# Altium PCB InsaneKeyboard.PcbDoc (part 1 of 4) (continued)
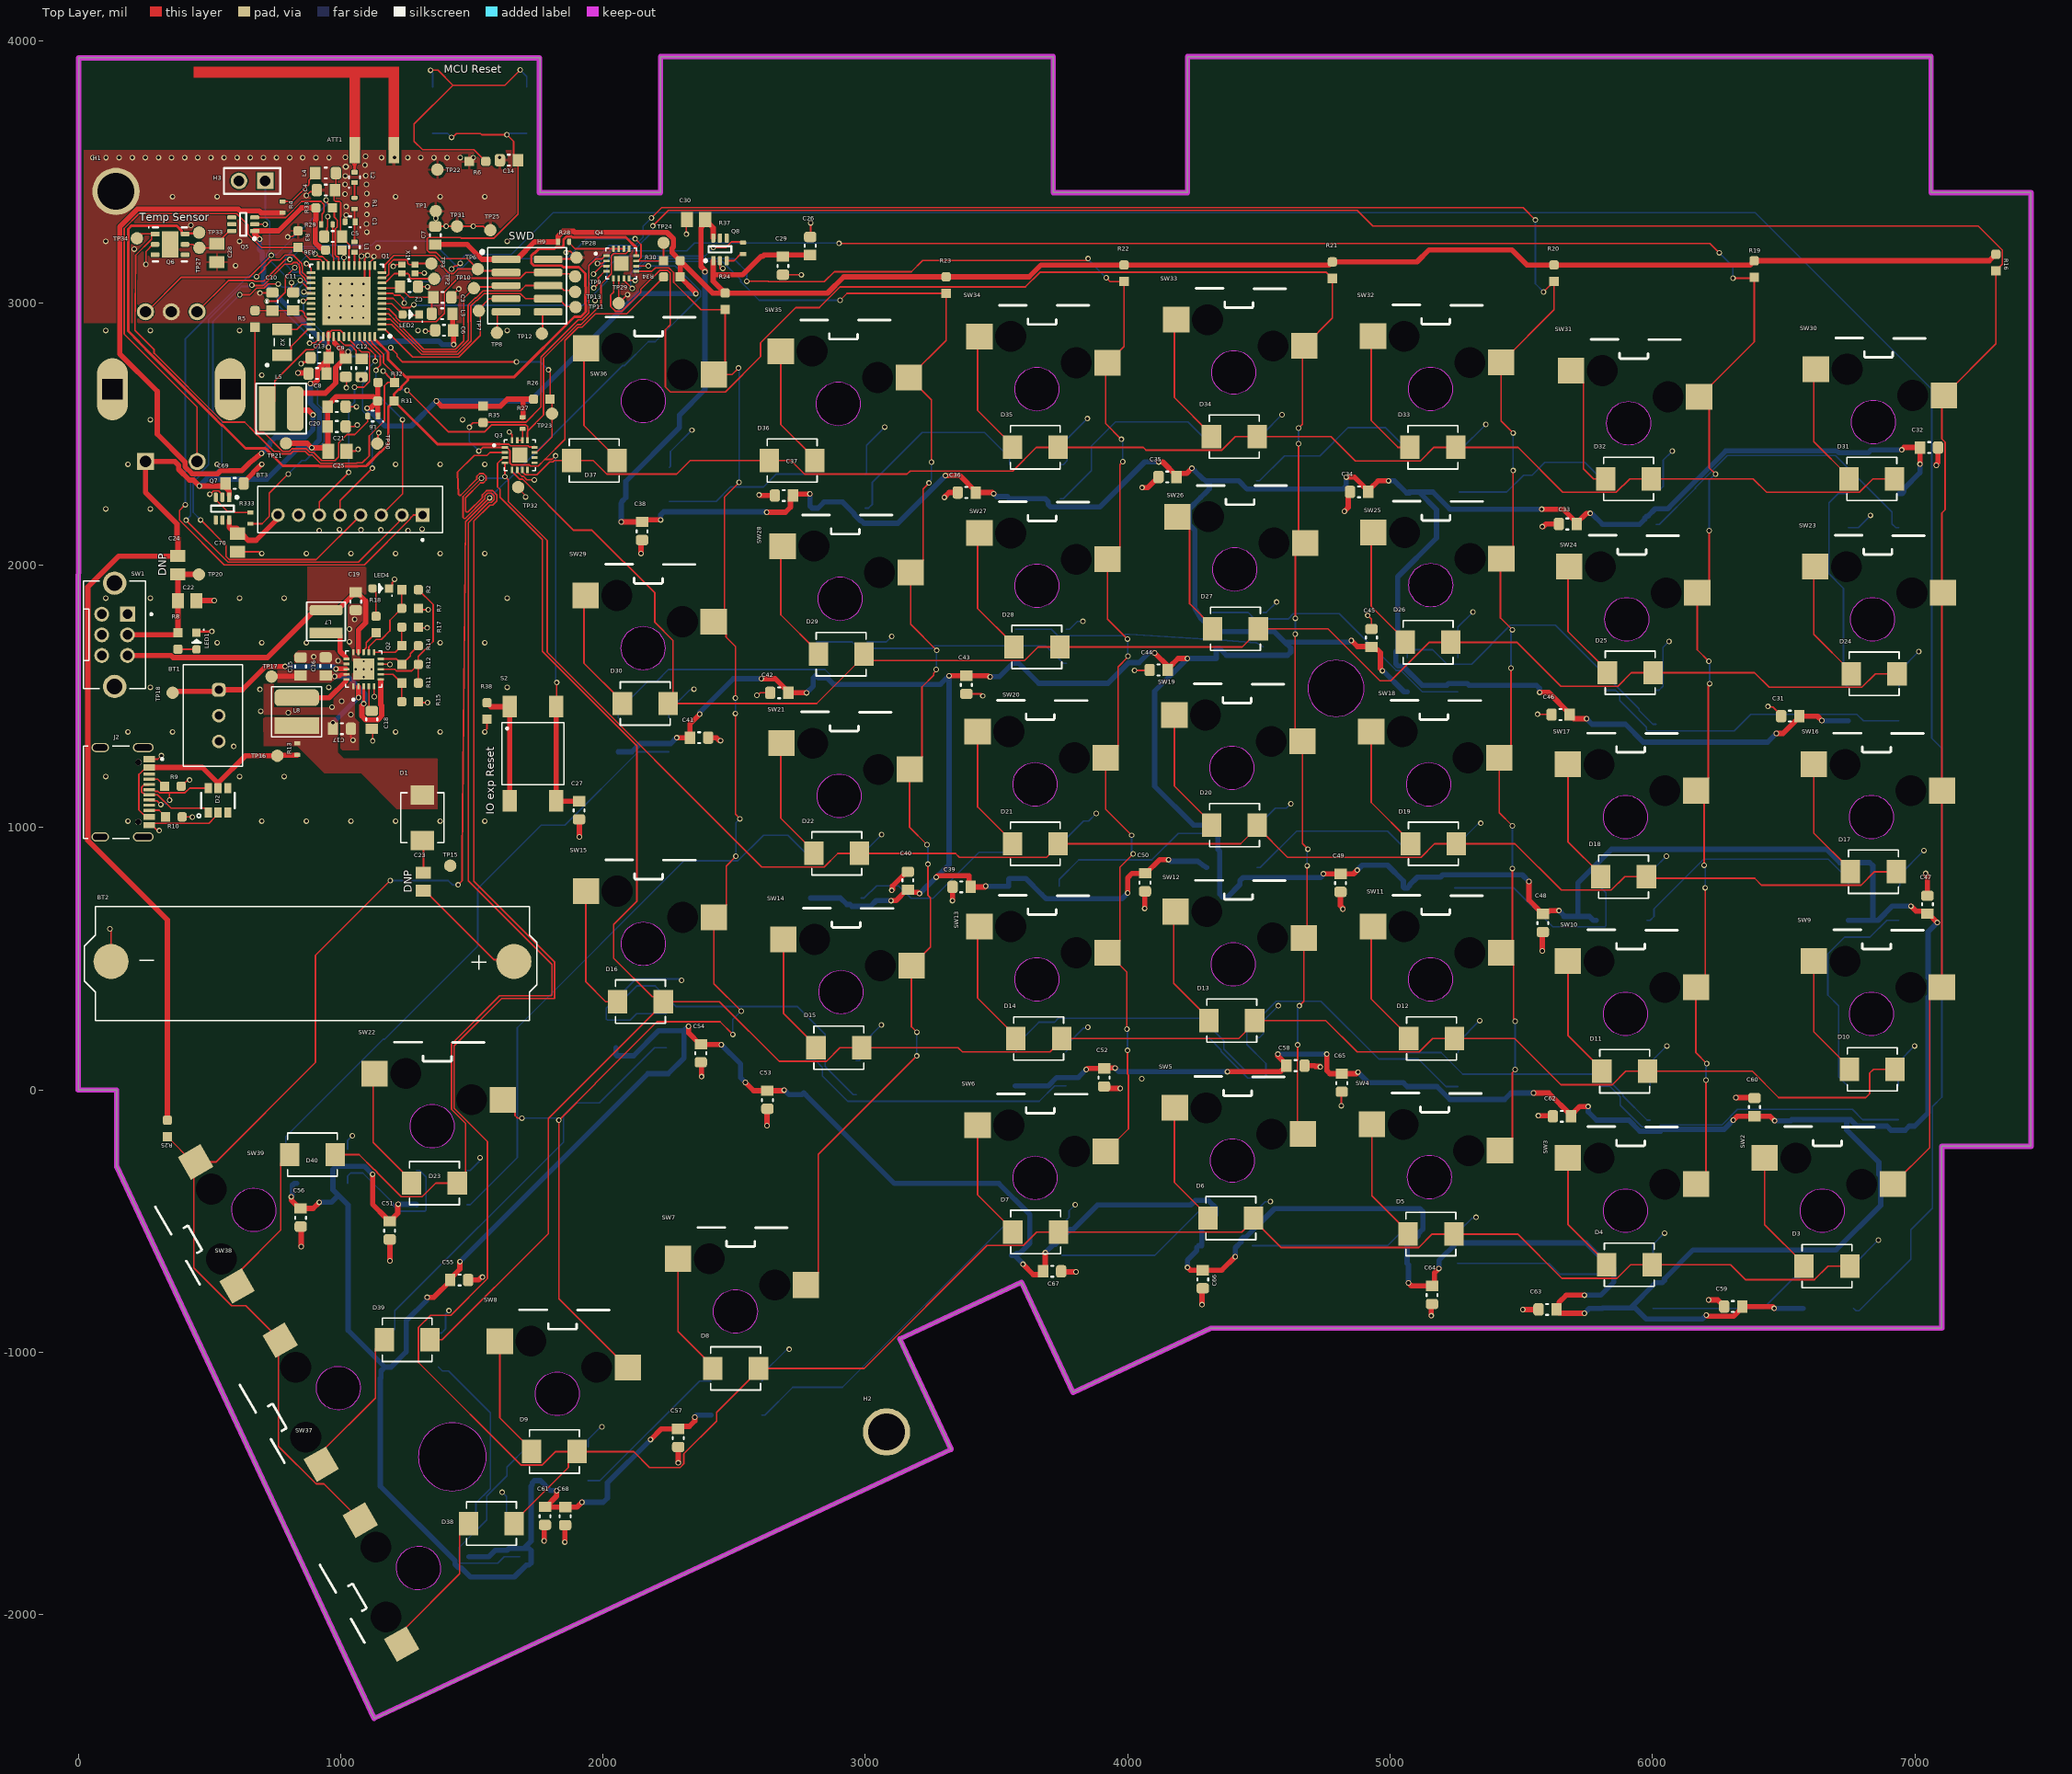
[diagram p0: Top Layer view]
## Design rules (kind name [scope] priority, off if disabled: settings)
BoardOutlineClearance [All] p1: gap=9 ignorepadtopadclearanceinfootprint=FALSE
Clearance [All] p1: gap=4 ignorepadtopadclearanceinfootprint=FALSE
HoleSize [All] p1: absolutevalues=TRUE maxlimit=248 minlimit=1 maxpercent=80.000 minpercent=20.000
HoleToHoleClearance [All] p1: gap=7.87 allowstackedmicrovias=TRUE
MinimumSolderMaskSliver [All] p1: minsoldermaskwidth=1
PlaneClearance [All] p1: clearance=20
PlaneConnect [All] p1: planeconnectstyle=Direct reliefexpansion=20 reliefentries=4 reliefconductorwidth=10 reliefairgap=10
PolygonConnect Coplaner [IsNamedPolygon('GND_L01_P006')] p1: thpad.connectstyle=Direct thpad.reliefconductorwidth=10 thpad.reliefentries=4 thpad.polygonreliefangle="90 Angle" thpad.airgapwidth=10 smdpad.connectstyle=Relief smdpad.reliefconductorwidth=10 smdpad.reliefentries=4 smdpad.polygonreliefangle="90 Angle" smdpad.airgapwidth=10 via.connectstyle=Direct via.reliefconductorwidth=10 via.reliefentries=4 via.polygonreliefangle="90 Angle" via.airgapwidth=10
PolygonConnect vout [InNet('+3.3V') or InNet('VAEM')] p2: connectstyle=Direct reliefconductorwidth=10 reliefentries=4 polygonreliefangle="90 Angle" airgapwidth=10
PolygonConnect [All] p3: thpad.connectstyle=Relief thpad.reliefconductorwidth=10 thpad.reliefentries=4 thpad.polygonreliefangle="90 Angle" thpad.airgapwidth=10 smdpad.connectstyle=Direct smdpad.reliefconductorwidth=10 smdpad.reliefentries=4 smdpad.polygonreliefangle="90 Angle" smdpad.airgapwidth=10 via.connectstyle=Direct via.reliefconductorwidth=10 via.reliefentries=4 via.polygonreliefangle="90 Angle" via.airgapwidth=10
RoutingVias [All] p1: holewidth=13 width=21 viastyle="Through Hole" minholewidth=6 minwidth=10 maxholewidth=13 maxwidth=25
SilkToSilkClearance [All] p1: silktosilkclearance=4
SilkToSolderMaskClearance [IsPad] p1: minsilkscreentomaskgap=4 clearancetoexposedcopper=TRUE
SolderMaskExpansion [All] p1: expansion=4 istentingtop=FALSE
SupplyNets "Schematic Supply Nets_5" [InNet('VMCU')] p1: voltage=0.000
SupplyNets "Schematic Supply Nets_4" [InNet('VDCDC')] p2: voltage=0.000
SupplyNets "Schematic Supply Nets_3" [InNet('GND')] p3: voltage=0.000
SupplyNets "Schematic Supply Nets_2" [InNet('PAVDD')] p4: voltage=0.000
SupplyNets "Schematic Supply Nets_1" [InNet('+3.3V')] p5: voltage=0.000
SupplyNets "Schematic Supply Nets" [InNet('USB_VCC')] p6: voltage=0.000
UnRoutedNet [All] p1: checkbadconnections=TRUE
Width "Schematic Width Constraint_10" [InNet('DISPLAY_LOAD_SW')] p1: maxlimit=20 minlimit=6 preferedwidth=20
Width "Schematic Width Constraint_9" [InNet('LED_PWR')] p2: maxlimit=20 minlimit=6 preferedwidth=20
Width "Schematic Width Constraint_8" [InNet('VBAT')] p3: maxlimit=20 minlimit=6 preferedwidth=20
Width "Schematic Width Constraint_7" [InNet('VDCDC')] p4: maxlimit=20 minlimit=6 preferedwidth=20
Width "Schematic Width Constraint_6" [InNet('NetC17_1')] p5: maxlimit=20 minlimit=6 preferedwidth=20
Width "Schematic Width Constraint_3" [InNet('VSTOR')] p6: maxlimit=20 minlimit=6 preferedwidth=20
Width "Schematic Width Constraint_2" [InNet('NetL8_2')] p7: maxlimit=20 minlimit=6 preferedwidth=20
Width "Schematic Width Constraint" [InNet('+3.3V')] p8: maxlimit=20 minlimit=6 preferedwidth=20
Width "Schematic Width Constraint_5" [InNet('USB_VCC')] p9: maxlimit=20 minlimit=6 preferedwidth=20
Width "Schematic Width Constraint_4" [InNet('VMCU')] p10: maxlimit=20 minlimit=6 preferedwidth=20
Width "Schematic Width Constraint_1" [InNet('VOUT')] p11: maxlimit=20 minlimit=6 preferedwidth=20
Width [All] p12: maxlimit=20 minlimit=6 preferedwidth=6
22 further rules are at their usual default settings.

## Classes and differential pairs
component class LIGHTS: C29 C30 C31 C32 C33 C34 C35 C36 C37 C38 C39 C40 C41 C42 C43 C44 C45 C46 C47 C48 C49 C50 C51 C52 C53 C54 C55 C56 C57 C58 C59 C60 C61 C62 C63 C64 C65 C66 C67 C68 LED LED5 LED6 LED7 LED8 LED9 LED10 LED11 LED12 LED13 LED14 LED15 LED16 LED17 LED18 LED19 LED20 LED21 LED22 LED23 LED24 LED25 LED26 LED27 LED28 LED29 LED30 LED31 LED32 LED33 LED34 LED35 LED36 LED37 LED38 LED39 LED40 LED41 Q8 R37
component class DISPLAY: BT3 C69 C70 Q7 R333
net class RADIO_PF[7..0]: RADIO_PF0 RADIO_PF1 RADIO_PF2 RADIO_PF3 RADIO_PF4 RADIO_PF5 RADIO_PF6 RADIO_PF7
net class RADIO_PB[15..11]: RADIO_PB11 RADIO_PB12 RADIO_PB13 RADIO_PB14 RADIO_PB15
net class IO_ROW_P[7..0]: IO_ROW_P0 IO_ROW_P1 IO_ROW_P2 IO_ROW_P3 IO_ROW_P4 IO_ROW_P5 IO_ROW_P6 IO_ROW_P7
net class IO_COL_P[7..0]: IO_COL_P0 IO_COL_P1 IO_COL_P2 IO_COL_P3 IO_COL_P4 IO_COL_P5 IO_COL_P6 IO_COL_P7
component class SWITCHES: D3 D4 D5 D6 D7 D8 D9 D10 D11 D12 D13 D14 D15 D16 D17 D18 D19 D20 D21 D22 D23 D24 D25 D26 D27 D28 D29 D30 D31 D32 D33 D34 D35 D36 D37 D38 D39 D40 H1 H2 R16 R19 R20 R21 R22 R23 R24 R25 SW2 SW3 SW4 SW5 SW6 SW7 SW8 SW9 SW10 SW11 SW12 SW13 SW14 SW15 SW16 SW17 SW18 SW19 SW20 SW21 SW22 SW23 SW24 SW25 SW26 SW27 SW28 SW29 SW30 SW31 SW32 SW33 SW34 SW35 SW36 SW37 SW38 SW39
component class RF_ANTENNA_POWER: ATT1 C1 C2 C3 C4 C5 C6 C7 C8 C9 C10 C11 C12 C13 L1 L2 L3 L4 L5 L6 Q1 R1 R4 R5 TP1 TP2 TP3 X1 X2
component class POWER: BT1 BT2 C15 C16 C17 C18 C19 C20 C21 C22 C23 C24 C25 D1 D2 J2 L7 L8 LED1 LED4 Q2 R2 R7 R8 R9 R10 R11 R12 R13 R14 R15 R17 R18 SW1 TP15 TP16 TP17 TP18 TP20 TP21 TP22
component class PERIPHERALS: C26 C27 C28 H3 LED2 MT1 Q3 Q4 Q5 Q6 R3 R26 R27 R28 R29 R30 R31 R32 R33 R34 R35 R36 R38 S2 TP23 TP24 TP25 TP27 TP28 TP29 TP30 TP31 TP32 TP33 TP34
component class EFR32_IO: C14 H9 R6 S1 TP6 TP7 TP8 TP9 TP10 TP11 TP12 TP13
net class RADIO_PD[15..10]: RADIO_PD10 RADIO_PD11 RADIO_PD12 RADIO_PD13 RADIO_PD14 RADIO_PD15
net class RADIO_PC[11..6]: RADIO_PC6 RADIO_PC7 RADIO_PC8 RADIO_PC9 RADIO_PC10 RADIO_PC11
net class RADIO_PA[5..0]: RADIO_PA0 RADIO_PA1 RADIO_PA2 RADIO_PA3 RADIO_PA4 RADIO_PA5

## Components (designator, comment, footprint, x,y, rotation, side; value= is the part's Value field where it differs from the comment)
ATT1 "F_Interverted" F_INVERTED 1054,3533 r90 top net-tie
BT1 "Battery 1000mAh" BATTERY 536,1427 r90 top
BT2 "Solar Panel" "SOLAR PANEL" 893,490 r180 top
BT3 "1.54inch Waveshare Eink Display" "1.54inch waveshare eink" 1032,2238 r0 top
C1 "CAP 1.5pF 50V 0402" "CAPACITOR 0402" 1036.67,3309.22 r180 top value=1.5pF
C2 "CAP 100pF 100V 0603" "CAPACITOR 0603" 1261,3062 r0 top value=100pF
C3 "CAP 100pF 100V 0603" "CAPACITOR 0603" 1388,3021 r0 top value=100pF
C4 "CAP 220nF 50V 0603" "CAPACITOR 0603" 944,3430 r180 top value=22nF
C5 "CAP 10pF 50V 0603" "CAPACITOR 0603" 971.76,3253 r180 top value=10pF
C6 "CAP 4.7uF 25V 0603" "CAPACITOR 0603" 1395,2896 r180 top value=4.7uF
C7 "CAP 10uF 10V 0603" "CAPACITOR 0603" 1361,3257 r90 top value=10uF
C8 "CAP 1uF 10V 0603" "CAPACITOR 0603" 912,2731 r180 top value=1uF
C9 "CAP 0.1uF 100V 0603" "CAPACITOR 0603" 1020,2753 r270 top value=10nF
C10 "CAP 10uF 10V 0603" "CAPACITOR 0603" 740,3005 r90 top value=10uF
C11 "CAP 10nF 100V 0603" "CAPACITOR 0603" 820,3005.55 r90 top value=10nF
C12 "CAP 1uF 10V 0603" "CAPACITOR 0603" 1080,2752 r270 top value=1uF
C13 "CAP 1uF 10V 0603" "CAPACITOR 0603" 920,2791 r180 top value=1uF
C14 "CAP 1uF 10V 0603" "Capacitor 0603" 1642,3544 r180 top value=1uF
C15 "CAP 4.7uF 25V 0603" "CAPACITOR 0603" 848,1614 r90 top value=4.7uF
C16 "CAP 10nF 100V 0603" "CAPACITOR 0603" 943,1614.55 r90 top value=10nF
C17 "CAP 4.7uF 25V 0603" "CAPACITOR 0603" 1004.9,1376.91 r0 top value=4.7uF
C18 "CAP 10nF 100V 0603" "CAPACITOR 0603" 1119,1411 r90 top value=10nF
C19 "22uF 10V X5R 0603" "CAPACITOR 0603" 1058,1863 r270 top value=22uF
C20 "CAP 0.1uF 100V 0603" "CAPACITOR 0603" 985,2605 r0 top value=10nF
C21 "CAP 0.1uF 100V 0603" "CAPACITOR 0603" 985,2529 r0 top value=10nF
C22 "CAP 47uF 10V 0805" "CAPACITOR 0805" 415.35,1865 r0 top value=1uF
C23 "CAP 47uF 10V 0805" "CAPACITOR 0805" 1316,794 r270 top value=1uF
C24 "CAP 47uF 10V 0805" "CAPACITOR 0805" 380,2000.35 r90 top value=1uF
C25 "CAP 47uF 10V 0805" "Capacitor 0805" 988,2435 r0 top value=1uF
C26 "CAP 1uF 10V 0603" "Capacitor 0603" 2790,3217 r90 top value=1uF
C27 "CAP 1uF 10V 0603" "Capacitor 0603" 1909,1066 r270 top value=1uF
C28 "CAP 47uF 10V 0805" "CAPACITOR 0805" 529,3190.35 r270 top value=1uF
C29 "CAP 1uF 10V 0603" "Capacitor 0603" 2686,3142 r270 top value=1uF
C30 "CAP 47uF 10V 0805" "CAPACITOR 0805" 2355,3317 r180 top value=1uF
C31 "CAP 1uF 10V 0603" "Capacitor 0603" 6525,1425 r180 top value=1uF
C32 "CAP 1uF 10V 0603" "Capacitor 0603" 7054,2449 r0 top value=1uF
C33 "CAP 1uF 10V 0603" "Capacitor 0603" 5677.32,2157.5 r180 top value=1uF
C34 "CAP 1uF 10V 0603" "Capacitor 0603" 4882,2280 r180 top value=1uF
C35 "CAP 1uF 10V 0603" "Capacitor 0603" 4151.76,2336.78 r180 top value=1uF
C36 "CAP 1uF 10V 0603" "Capacitor 0603" 3386.83,2277.48 r180 top value=1uF
C37 "CAP 1uF 10V 0603" "Capacitor 0603" 2690,2266 r180 top value=1uF
C38 "CAP 1uF 10V 0603" "Capacitor 0603" 2149,2130.55 r270 top value=1uF
C39 "CAP 1uF 10V 0603" "Capacitor 0603" 3367,774 r180 top value=1uF
C40 "CAP 1uF 10V 0603" "Capacitor 0603" 3162,797.45 r90 top value=1uF
C41 "CAP 1uF 10V 0603" "Capacitor 0603" 2366.55,1343 r0 top value=1uF
C42 "CAP 1uF 10V 0603" "Capacitor 0603" 2672,1514 r180 top value=1uF
C43 "CAP 1uF 10V 0603" "Capacitor 0603" 3385,1544.55 r270 top value=1uF
C44 "CAP 1uF 10V 0603" "Capacitor 0603" 4118,1601 r180 top value=1uF
C45 "CAP 1uF 10V 0603" "Capacitor 0603" 4929,1723 r90 top value=1uF
C46 "CAP 1uF 10V 0603" "Capacitor 0603" 5650,1431 r180 top value=1uF
C47 "CAP 1uF 10V 0603" "Capacitor 0603" 7048,706.45 r90 top value=1uF
C48 "CAP 1uF 10V 0603" "Capacitor 0603" 5582.51,636.78 r270 top value=1uF
C49 "CAP 1uF 10V 0603" "Capacitor 0603" 4811,789.55 r270 top value=1uF
C50 "CAP 1uF 10V 0603" "Capacitor 0603" 4066,791.55 r270 top value=1uF
C51 "CAP 1uF 10V 0603" "Capacitor 0603" 1187,-535 r270 top value=1uF
C52 "CAP 1uF 10V 0603" "Capacitor 0603" 3910,48 r270 top value=1uF
C53 "CAP 1uF 10V 0603" "Capacitor 0603" 2627,-37 r270 top value=1uF
C54 "CAP 1uF 10V 0603" "Capacitor 0603" 2373,140.45 r270 top value=1uF
C55 "CAP 1uF 10V 0603" "Capacitor 0603" 1452,-724 r0 top value=1uF
C56 "CAP 1uF 10V 0603" "Capacitor 0603" 848,-486 r270 top value=1uF
C57 "CAP 1uF 10V 0603" "Capacitor 0603" 2287,-1326 r270 top value=1uF
C58 "CAP 1uF 10V 0603" "Capacitor 0603" 4639.55,93 r0 top value=1uF
C59 "CAP 1uF 10V 0603" "Capacitor 0603" 6308,-825 r180 top value=1uF
C60 "CAP 1uF 10V 0603" "Capacitor 0603" 6389,-65 r90 top value=1uF
C61 "CAP 1uF 10V 0603" "Capacitor 0603" 1779,-1623 r270 top value=1uF
C62 "CAP 1uF 10V 0603" "Capacitor 0603" 5655,-100 r180 top value=1uF
C63 "CAP 1uF 10V 0603" "Capacitor 0603" 5600,-836 r180 top value=1uF
C64 "CAP 1uF 10V 0603" "Capacitor 0603" 5160,-781 r270 top value=1uF
C65 "CAP 1uF 10V 0603" "Capacitor 0603" 4816,28 r270 top value=1uF
C66 "CAP 1uF 10V 0603" "Capacitor 0603" 4286,-721 r270 top value=1uF
C67 "CAP 1uF 10V 0603" "Capacitor 0603" 3712,-691 r0 top value=1uF
C68 "CAP 1uF 10V 0603" "Capacitor 0603" 1856,-1624 r270 top value=1uF
C69 "CAP 1uF 10V 0603" "Capacitor 0603" 596,2312 r0 top value=1uF
C70 "CAP 47uF 10V 0805" "CAPACITOR 0805" 608,2086 r270 top value=1uF
D1 "Diode Schottky" "DIODE SCHOTTKY" 1312,1038 r270 top value=150pF
D2 "SRV05-4-P-T7" TVS 532.99,1103.16 r90 top value="TVS DIODE 5.5V 6TSOP"
D3 "Diode Schottky" "DIODE SCHOTTKY" 6665,-671 r180 top value=150pF
D4 "Diode Schottky" "DIODE SCHOTTKY" 5912,-666 r180 top value=150pF
D5 "Diode Schottky" "DIODE SCHOTTKY" 5156,-549 r180 top value=150pF
D6 "Diode Schottky" "DIODE SCHOTTKY" 4393,-488 r180 top value=150pF
D7 "Diode Schottky" "DIODE SCHOTTKY" 3649,-541 r180 top value=150pF
D8 "Diode Schottky" "DIODE SCHOTTKY" 2506,-1061 r180 top value=150pF
D9 "Diode Schottky" "DIODE SCHOTTKY" 1815,-1378 r180 top value=150pF
D10 "Diode Schottky" "DIODE SCHOTTKY" 6838,79 r180 top value=150pF
D11 "Diode Schottky" "DIODE SCHOTTKY" 5894.05,71.53 r180 top value=150pF
D12 "Diode Schottky" "DIODE SCHOTTKY" 5158.05,196.53 r180 top value=150pF
D13 "Diode Schottky" "DIODE SCHOTTKY" 4397.05,264.53 r180 top value=150pF
D14 "Diode Schottky" "DIODE SCHOTTKY" 3661.05,196.53 r180 top value=150pF
D15 "Diode Schottky" "DIODE SCHOTTKY" 2899,161 r180 top value=150pF
D16 "Diode Schottky" "DIODE SCHOTTKY" 2143,337 r180 top value=150pF
D17 "Diode Schottky" "DIODE SCHOTTKY" 6842,832 r180 top value=150pF
D18 "Diode Schottky" "DIODE SCHOTTKY" 5890.05,813.53 r180 top value=150pF
D19 "Diode Schottky" "DIODE SCHOTTKY" 5165.05,938.53 r180 top value=150pF
D20 "Diode Schottky" "DIODE SCHOTTKY" 4407.05,1009.53 r180 top value=150pF
D21 "Diode Schottky" "DIODE SCHOTTKY" 3648.05,938.53 r180 top value=150pF
D22 "Diode Schottky" "DIODE SCHOTTKY" 2891,902 r180 top value=150pF
D23 "Diode Schottky" "DIODE SCHOTTKY" 1358,-355 r180 top value=150pF
D24 "Diode Schottky" "DIODE SCHOTTKY" 6845.05,1586.53 r180 top value=150pF
D25 "Diode Schottky" "DIODE SCHOTTKY" 5915.05,1590.53 r180 top value=150pF
D26 "Diode Schottky" "DIODE SCHOTTKY" 5145.05,1706.53 r180 top value=150pF
D27 "Diode Schottky" "DIODE SCHOTTKY" 4411,1758 r180 top value=150pF
D28 "Diode Schottky" "DIODE SCHOTTKY" 3654.05,1688.53 r180 top value=150pF
D29 "Diode Schottky" "DIODE SCHOTTKY" 2908,1661 r180 top value=150pF
D30 "Diode Schottky" "DIODE SCHOTTKY" 2161,1473 r180 top value=150pF
D31 "Diode Schottky" "DIODE SCHOTTKY" 6836.05,2329.53 r180 top value=150pF
D32 "Diode Schottky" "DIODE SCHOTTKY" 5909.05,2329.53 r180 top value=150pF
D33 "Diode Schottky" "DIODE SCHOTTKY" 5163.05,2449.53 r180 top value=150pF
D34 "Diode Schottky" "DIODE SCHOTTKY" 4406.05,2490.53 r180 top value=150pF
D35 "Diode Schottky" "DIODE SCHOTTKY" 3648.05,2449.53 r180 top value=150pF
D36 "Diode Schottky" "DIODE SCHOTTKY" 2721,2399 r0 top value=150pF
D37 "Diode Schottky" "DIODE SCHOTTKY" 1967,2399 r0 top value=150pF
D38 "Diode Schottky" "DIODE SCHOTTKY" 1575,-1652 r180 top value=150pF
D39 "Diode Schottky" "DIODE SCHOTTKY" 1254,-952 r180 top value=150pF
D40 "Diode Schottky" "DIODE SCHOTTKY" 893,-246 r180 top value=150pF
H1 "#4 Hole" Hole 144,3425 r0 top
H2 "#4 Hole" HOLE 3081,-1303 r0 top
H3 "0.1\" M Header" 2-PIN_MALE_HEADER_01-IN 663,3465 r180 top
H9 "Mini SWD" "MINI SIMPLICITY CONNECTOR" 1711,3066 r270 top
J2 "Female USB Type C" "TYPE C" 83.99,1135.16 r270 top
L1 "1.9nH" "FERRITE 0402" 1053,3213 r90 top
L2 "1.9nH" "FERRITE 0402" 1053.32,3478.25 r90 top
L3 "Ferrite Bead 600(601) 1LN" "FERRITE 0603" 1388,2959 r180 top
L4 "Ferrite Bead 600(601) 1LN" "FERRITE 0603" 942,3495 r0 top
L5 "IND 4.7uH 1515" "IND 22UH (1.6X4.3)" 721,2597 r0 top
L6 "Farrite Bead 102(1k)" "FERRITE 0402" 1123,2569 r180 top
L7 "IND 10uH 1111" "IND 10UH (1X3.2)" 945,1742.39 r90 top
L8 "IND 22uH 1515" "IND 22UH (1.6X4.3)" 833,1389 r90 top
LED "WS2812B" WS2812B 6670,-767 r180 bottom
LED1 "GRN 0603" "LED 0603" 455,1710 r270 top
LED2 "GRN 0603" "LED 0603" 1267,2952 r180 top
LED4 "GRN 0603" "LED 0603" 1152,1908 r180 top
LED5 "WS2812B" WS2812B 5906,-767 r180 bottom
LED6 "WS2812B" WS2812B 5161,-596 r180 bottom
LED7 "WS2812B" WS2812B 4379,-528 r180 bottom
LED8 "WS2812B" WS2812B 3654,-565 r180 bottom
LED9 "WS2812B" WS2812B 2509,-1174 r180 bottom
LED10 "WS2812B" WS2812B 1847,-1424 r180 bottom
LED11 "WS2812B" WS2812B 1586,-1714 r180 bottom
LED12 "WS2812B" WS2812B 6840,-48 r180 bottom
LED13 "WS2812B" WS2812B 5895,-50 r180 bottom
LED14 "WS2812B" WS2812B 5162,78 r180 bottom
LED15 "WS2812B" WS2812B 4394,135 r180 bottom
LED16 "WS2812B" WS2812B 3668,81 r180 bottom
LED17 "WS2812B" WS2812B 2869,47 r180 bottom
LED18 "WS2812B" WS2812B 2146,226 r180 bottom
LED19 "WS2812B" WS2812B 1277,-991 r180 bottom
LED20 "WS2812B" WS2812B 6843,712 r180 bottom
LED21 "WS2812B" WS2812B 5883,712 r180 bottom
LED22 "WS2812B" WS2812B 5151,835 r180 bottom
LED23 "WS2812B" WS2812B 4397,913 r180 bottom
LED24 "WS2812B" WS2812B 3642.54,840.96 r180 bottom
LED25 "WS2812B" WS2812B 2888,797 r180 bottom
LED26 "WS2812B" WS2812B 1386,-372 r180 bottom
LED27 "WS2812B" WS2812B 930.2,-290.24 r180 bottom
LED28 "WS2812B" WS2812B 6843,1472 r180 bottom
LED29 "WS2812B" WS2812B 5917,1459 r180 bottom
LED30 "WS2812B" WS2812B 5162,1583 r180 bottom
LED31 "WS2812B" WS2812B 4420,1755 r180 bottom
LED32 "WS2812B" WS2812B 3670,1691 r180 bottom
LED33 "WS2812B" WS2812B 2910,1643 r180 bottom
LED34 "WS2812B" WS2812B 2155,1354 r180 bottom
LED35 "WS2812B" WS2812B 6843,2208 r0 bottom
LED36 "WS2812B" WS2812B 5918,2221 r180 bottom
LED37 "WS2812B" WS2812B 5168,2344 r180 bottom
LED38 "WS2812B" WS2812B 4396,2395 r180 bottom
LED39 "WS2812B" WS2812B 3654,2325 r180 bottom
LED40 "WS2812B" WS2812B 2904,2287 r180 bottom
LED41 "WS2812B" WS2812B 2157,2308 r180 bottom
MT1 "Rotery Encoder" "Rotery Encoder" 355,2671 r0 bottom
Q1 "EFR32BG13P632F512GM32-DR" EFR32BG 1022.76,3007.1 r180 top
Q2 "BQ25570RGRR" BQ25570RGRR 1088,1604 r90 top
Q3 "TCA6408ARGTR" "TCA6408ARGTR - IO EXPANDER" 1683,2420 r0 top
Q4 "TCA6408ARGTR" "TCA6408ARGTR - IO EXPANDER" 2070,3150 r0 top
Q5 "TPS22919" "TPS22919DCKR - LOAD SW" 629,3300 r180 top
Q6 "SI7021-A20-GM1R" "SI7021-A20 - TEMP" 350,3223 r0 top
Q7 "TPS22919" "TPS22919DCKR - Load SW" 550,2216 r270 top
Q8 "TPS22919" "TPS22919DCKR - Load SW" 2446,3204 r90 top
R1 "RES 0R 0402" "RESISTOR 0402" 1053,3379 r90 top value=0R
R2 "RES 8.2M 0603" "RESISTOR 0603" 1264.9,1906.91 r0 top value=8.2MR
R3 "RES 330K 0603" "Resistor 0603" 838,3243 r90 top value=330kR
R4 "RES 0R 0402" "RESISTOR 0402" 779,3365 r90 top value=0R
R5 "RES 1R 0603" "RESISTOR 0603" 674,2939 r90 top value=1R
R6 "RES 100R 0603" "RESISTOR 0603" 1522,3539 r0 top value=100R
R7 "RES 4.75M 0603" "RESISTOR 0603" 1264.9,1835.74 r180 top value=4.75MR
R8 "RES 100R 0603" "RESISTOR 0603" 380,1711.5 r270 top value=100R
R9 "RES 5.1K 0603" "RESISTOR 0603" 360.99,1158.16 r0 top value=5.1kR
R10 "RES 5.1K 0603" "RESISTOR 0603" 364.99,1041.16 r0 top value=5.1kR
R11 "RES 7.32M 0603" "RESISTOR 0603" 1264.9,1551.08 r0 top value=7.32MR
R12 "RES 1.24M 0603" "RESISTOR 0603" 1264.9,1622.25 r0 top value=1.24MR
R13 "RES 0R 0402" "RESISTOR 0402" 834.86,1299.12 r270 top value=0R
R14 "RES 6.65M 0603" "RESISTOR 0603" 1264.9,1693.41 r0 top value=6.65MR
R15 "RES 5.62M 0603" "RESISTOR 0603" 1264.9,1479.91 r180 top value=5.6MR
R16 "RES 10K 0603" "Resistor 0603" 7309,3154 r90 top value=10kR
R17 "RES 4.99M 0603" "RESISTOR 0603" 1264.9,1764.58 r180 top value=4.99MR
R18 "RES 100R 0603" "RESISTOR 0603" 1135,1774 r90 top value=100R
R19 "RES 10K 0603" "Resistor 0603" 6388,3129 r90 top value=10kR
R20 "RES 10K 0603" "RESISTOR 0603" 5625,3113 r90 top value=10kR
R21 "RES 10K 0603" "RESISTOR 0603" 4780,3125 r90 top value=10kR
R22 "RES 10K 0603" "RESISTOR 0603" 3986,3113 r90 top value=10kR
R23 "RES 10K 0603" "RESISTOR 0603" 3308,3068 r90 top value=10kR
R24 "RES 10K 0603" "RESISTOR 0603" 2466,3006 r90 top value=10kR
R25 "RES 10K 0603" "RESISTOR 0603" 340,-146.5 r90 top value=10kR
R26 "RES 10K 0603" "RESISTOR 0603" 1767,2633 r180 top value=10kR
R27 "RES 0R 0402" "RESISTOR 0402" 1694,2541.65 r270 top value=0R
R28 "RES 0R 0402" "RESISTOR 0402" 1850,3233 r0 top value=0R
R29 "RES 0R 0402" "RESISTOR 0402" 948,3299 r0 top value=0R
R30 "RES 10K 0603" "RESISTOR 0603" 2263,3161 r0 top value=10kR
R31 "RES 10K 0603" "RESISTOR 0603" 1173,2626 r180 top value=10kR
R32 "RES 10K 0603" "RESISTOR 0603" 1174,2697 r180 top value=10kR
R33 "RES 10K 0603" "Resistor 0603" 937.22,3362 r180 top value=10kR
R34 "RES 10K 0603" "Resistor 0603" 2263,3099 r180 top value=10kR
R35 "RES 10K 0603" "Resistor 0603" 1543,2575 r270 top value=10kR
R36 "RES 10K 0603" "Resistor 0603" 974.22,3201.61 r180 top value=10kR
R37 "RES 0R 0402" "Resistor 0402" 2534,3208 r90 top value=0R
R38 "RES 100R 0603" "Resistor 0603" 1558,1444.5 r90 top value=100R
R333 "RES 0R 0402" "Resistor 0402" 656,2180 r270 top value=0R
S1 "SPST" SPST 1513,3736 r0 bottom
S2 "SPST" SPST 1733,1282 r270 top
SW1 "DPDT" DPDT 139,1735 r270 top
SW2 "Gateron G Pro 2.0" "MECHANICAL SWITCH" 6646.93,-459.75 r0 top
SW3 "Gateron G Pro 2.0" "MECHANICAL SWITCH" 5896.92,-459.75 r0 top
SW4 "Gateron G Pro 2.0" "MECHANICAL SWITCH" 5150,-331.79 r0 top
SW5 "Gateron G Pro 2.0" "MECHANICAL SWITCH" 4399,-268.79 r0 top
SW6 "Gateron G Pro 2.0" "MECHANICAL SWITCH" 3646.9,-334.75 r0 top
SW7 "Gateron G Pro 2.0" "MECHANICAL SWITCH" 2505,-843.79 r0 top
SW8 "Gateron G Pro 2.0" "MECHANICAL SWITCH" 1825.88,-1157.86 r0 top
SW9 "Gateron G Pro 2.0" "MECHANICAL SWITCH" 6834.43,290.26 r0 top
SW10 "Gateron G Pro 2.0" "MECHANICAL SWITCH" 5896.92,290.26 r0 top
SW11 "Gateron G Pro 2.0" "MECHANICAL SWITCH" 5153.99,422.09 r0 top
SW12 "Gateron G Pro 2.0" "MECHANICAL SWITCH" 4402,479.21 r0 top
SW13 "Gateron G Pro 2.0" "MECHANICAL SWITCH" 3653.98,422.09 r0 top
SW14 "Gateron G Pro 2.0" "MECHANICAL SWITCH" 2907,373.21 r0 top
SW15 "Gateron G Pro 2.0" "MECHANICAL SWITCH" 2154,557.21 r0 top
SW16 "Gateron G Pro 2.0" "MECHANICAL SWITCH" 6834.43,1040.26 r0 top
SW17 "Gateron G Pro 2.0" "MECHANICAL SWITCH" 5896.92,1040.26 r0 top
SW18 "Gateron G Pro 2.0" "MECHANICAL SWITCH" 5146.92,1165.26 r0 top
SW19 "Gateron G Pro 2.0" "MECHANICAL SWITCH" 4396.91,1228.16 r0 top
SW20 "Gateron G Pro 2.0" "MECHANICAL SWITCH" 3646.9,1165.26 r0 top
SW21 "Gateron G Pro 2.0" "MECHANICAL SWITCH" 2900,1121.21 r0 top
SW22 "Gateron G Pro 2.0" "MECHANICAL SWITCH" 1349,-137.79 r0 top
SW23 "Gateron G Pro 2.0" "MECHANICAL SWITCH" 6839,1794.21 r0 top
SW24 "Gateron G Pro 2.0" "MECHANICAL SWITCH" 5902,1794.21 r0 top
SW25 "Gateron G Pro 2.0" "MECHANICAL SWITCH" 5155,1924.21 r0 top
SW26 "Gateron G Pro 2.0" "MECHANICAL SWITCH" 4408,1984.21 r0 top
SW27 "Gateron G Pro 2.0" "MECHANICAL SWITCH" 3653.98,1922.1 r0 top
SW28 "Gateron G Pro 2.0" "MECHANICAL SWITCH" 2903.97,1872.1 r0 top
SW29 "Gateron G Pro 2.0" "MECHANICAL SWITCH" 2153,1684.21 r0 top
SW30 "Gateron G Pro 2.0" "MECHANICAL SWITCH" 6842,2546.21 r0 top
SW31 "Gateron G Pro 2.0" "MECHANICAL SWITCH" 5909,2541.21 r0 top
SW32 "Gateron G Pro 2.0" "MECHANICAL SWITCH" 5153.99,2672.11 r0 top
SW33 "Gateron G Pro 2.0" "MECHANICAL SWITCH" 4404,2735.21 r0 top
SW34 "Gateron G Pro 2.0" "MECHANICAL SWITCH" 3654,2671.21 r0 top
SW35 "Gateron G Pro 2.0" "MECHANICAL SWITCH" 2896.9,2615.17 r0 top
SW36 "Gateron G Pro 2.0" "MECHANICAL SWITCH" 2154,2626.21 r0 top
SW37 "Gateron G Pro 2.0" "MECHANICAL SWITCH" 1296.89,-1821.86 r120 top
SW38 "Gateron G Pro 2.0" "MECHANICAL SWITCH" 991.42,-1136 r120 top
SW39 "Gateron G Pro 2.0" "MECHANICAL SWITCH" 669.42,-457 r120 top
TP1 "Test point" "TEST POINT"#1 1363,3350 r90 top net-tie
TP2 "Test point" "TEST POINT"#1 1357,3092 r0 top net-tie
TP3 "Test point" "TEST POINT"#1 1346,3150 r0 top net-tie
TP6 "Test point" "TEST POINT"#1 1523,3129 r0 top net-tie
TP7 "Test point" "TEST POINT"#1 1527,2970 r0 top net-tie
TP8 "Test point" "TEST POINT"#1 1596,2886 r90 top net-tie
TP9 "Test point" "TEST POINT"#1 1894,3101 r90 top net-tie
TP10 "Test point" "TEST POINT"#1 1508.27,3056 r0 top net-tie
TP11 "Test point" "TEST POINT"#1 1896,2984 r90 top net-tie
TP12 "Test point" "TEST POINT"#1 1767,2883 r90 top net-tie
TP13 "Test point" "TEST POINT"#1 1894,3042 r90 top net-tie
TP15 "Test Point" "TEST POINT"#2 1418,855 r180 top net-tie
TP16 "Test point" "TEST POINT"#1 759,1274 r180 top net-tie
TP17 "Test point" "TEST POINT"#1 737,1576 r180 top net-tie
TP18 "Test point" "TEST POINT"#1 360,1514 r180 top net-tie
TP20 "Test point" "TEST POINT"#1 460,1965 r90 top net-tie
TP21 "Test point" "TEST POINT"#1 792,2465 r90 top net-tie
TP22 "Test point" "TEST POINT"#1 1369,3508 r90 top net-tie
TP23 "Test point" "TEST POINT"#1 1806,2578 r180 top net-tie
TP24 "Test point" "TEST POINT"#1 2231,3229 r90 top net-tie
TP25 "Test point" "TEST POINT"#1 1571,3277 r90 top net-tie
TP27 "Test point" "TEST POINT"#1 462,3210 r270 top net-tie
TP28 "Test point" "TEST POINT"#1 1899,3173 r270 top net-tie
TP29 "Test point" "TEST POINT"#1 2060,2999 r90 top net-tie
TP30 "Test point" "TEST POINT"#1 1140,2464 r0 top net-tie
TP31 "Test point" "TEST POINT"#1 1444,3292 r90 top net-tie
TP32 "Test point" "TEST POINT"#1 1677,2298 r90 top net-tie
TP33 "Test point" "TEST POINT"#1 461,3268 r270 top net-tie
TP34 "Test point" "TEST POINT"#1 224,3246 r270 top net-tie
X1 "XTAL 38.4MHz" "XTAL 38.4MHZ" 1259,3129 r270 top
X2 "32.768kHz" XTAL_32.768KHZ-T 777,2850 r90 top

## Footprints (in the part's own frame and the unit in brackets; to place one, negate y for a bottom-side part, rotate by r counter-clockwise, add the part's x,y. Pads: shape width x height; smd on the part's side, far side on the other; paste and mask are expansions set on the pad)
"1.54inch waveshare eink" [mm] "200x200, 1.54inch E-Ink display module"
  rect 1.308x1.308 / inner round 1.308 / far side rect 1.308x1.308 hole 0.8: 1(7.127,-1.185)
  round 1.308 hole 0.8: 2(5.127,-1.185) 3(3.127,-1.185) 4(1.127,-1.185) 5(-0.873,-1.185) 6(-2.873,-1.185) 7(-4.873,-1.185) 8(-6.873,-1.185)
  silkscreen extent -8.82,-3.68 9.08,1.62, body extent -8.85,-2.92 9.05,1.58, height 6
2-PIN_MALE_HEADER_01-IN [mm] "Terminal Assembly, 1x2 Pins, Vertical, 2.54mm Pitch, Male"
  rect 1.6x1.6 hole 1.02: 1(-1.27,0)
  round 1.6 hole 1.02: 2(1.27,0)
  silkscreen extent -2.73,-1.24 2.73,1.24, body extent -2.54,-1.22 2.54,1.27, height 8.54
BATTERY [mm] "404852 3.7 V Lithium-Ion Battery Rechargeable (Secondary) 1.05Ah"
  rrect50% 1.308x1.308 hole 0.8: 1(2.5,0)
  round 1.308 hole 0.8: 2(0,0) 3(-2.5,0)
  silkscreen extent -4.9,-2.31 4.93,3.43, body extent -4.95,-2.34 4.95,3.41, height 6.51
BQ25570RGRR [mm] "Energy Harvesting PMIC 20-VQFN (3.5x3.5) IC ENERGY HARV CTRLR BATT 20VQFN"
  rrect50% 0.6x0.24 smd mask+0: 1(-1.65,1)
  rrect27% 0.6x0.24 smd mask+0: 2(-1.65,0.5) 3(-1.65,0) 4(-1.65,-0.5) 5(-1.65,-1) 11(1.65,-1) 12(1.65,-0.5) 13(1.65,0) 14(1.65,0.5) 15(1.65,1)
  rrect27% 0.24x0.6 smd mask+0: 6(-1,-1.65) 7(-0.5,-1.65) 8(0,-1.65) 9(0.5,-1.65) 10(1,-1.65) 16(1,1.65) 17(0.5,1.65) 18(0,1.65) 19(-0.5,1.65) 20(-1,1.65)
  round 0.3 hole 0.2 mask+0: 21(-0.775,0) 21(0,0.775) 21(0,0) 21(0,-0.775) 21(0.775,0)
  rect 2.05x2.05 smd paste-2 mask+0.07: 21(0,0)
  silkscreen extent -3.05,-1.75 1.75,1.75, body extent -1.75,-1.75 1.75,1.75, height 1
"CAPACITOR 0402" [mm]
  rect 0.5x0.64 smd: 1(-0.5,0)
  rrect50% 0.5x0.64 smd: 2(0.5,0)
  silkscreen extent -1.04,-0.52 0.1,0.58, body extent -0.5,-0.25 0.5,0.25, height 0.55
"CAPACITOR 0603" [mm] "Chip Capacitor, 2-Leads, Body 1.60x0.80mm, IPC Medium Density"
  rect 1x1.2 smd: 1(-0.875,0)
  rrect50% 1x1.2 smd: 2(0.875,0)
  silkscreen extent -0.07,-0.53 0.13,0.53, body extent -0.87,-0.5 0.93,0.5, height 1
"Capacitor 0603" [mm] "Chip Capacitor, 2-Leads, Body 1.60x0.80mm, IPC Medium Density"
  rect 1x1.2 smd: 1(-0.875,0)
  rrect50% 1x1.2 smd: 2(0.875,0)
  silkscreen extent -0.07,-0.53 0.13,0.53, body extent -0.87,-0.5 0.93,0.5, height 1
"CAPACITOR 0805" [mm]
  rect 1.16x1.47 smd: 1(-0.88,0) 2(0.88,0)
"Capacitor 0805" [mm]
  rect 1.16x1.47 smd: 1(-0.88,0) 2(0.88,0)
"DIODE SCHOTTKY" [mil]
  rect 74x89 smd paste+0 mask+0: 1(-87,0) 2(87,0)
  silkscreen extent -95,-83 95,83, body extent -105,-70 107,72, height 111
DPDT [mm]
  rect 1.438x1.438 / inner round 1.438 / far side rect 1.438x1.438 hole 0.93: 1(-2,1.25)
  round 1.438 hole 0.93: 2(0,1.25) 3(2,1.25) 4(-2,-1.25) 5(0,-1.25) 6(2,-1.25)
  round 2.265 hole 1.51: S1(-5,0) S2(5,0)
  silkscreen extent -5.2,-3 5.2,3.65, body extent -5.15,-7 5.15,3, height 5
EFR32BG [mm] "PQFN, 48-Leads, Body 7.00x7.00mm, Pitch 0.50mm, Thermal Pad 4.70x4.70mm, IPC Medium Density"
  rect 0.86x0.26 smd mask+0.05: 1(-3.435,2.75)
  rrect50% 0.86x0.26 smd mask+0.05: 2(-3.435,2.25) 3(-3.435,1.75) 4(-3.435,1.25) 5(-3.435,0.75) 6(-3.435,0.25) 7(-3.435,-0.25) 8(-3.435,-0.75) 9(-3.435,-1.25) 10(-3.435,-1.75) 11(-3.435,-2.25) 12(-3.435,-2.75) 25(3.435,-2.75) 26(3.435,-2.25) 27(3.435,-1.75) 28(3.435,-1.25) 29(3.435,-0.75) 30(3.435,-0.25) 31(3.435,0.25) 32(3.435,0.75) 33(3.435,1.25) 34(3.435,1.75) 35(3.435,2.25) 36(3.435,2.75)
  rrect50% 0.26x0.86 smd mask+0.05: 13(-2.75,-3.435) 14(-2.25,-3.435) 15(-1.75,-3.435) 16(-1.25,-3.435) 17(-0.75,-3.435) 18(-0.25,-3.435) 19(0.25,-3.435) 20(0.75,-3.435) 21(1.25,-3.435) 22(1.75,-3.435) 23(2.25,-3.435) 24(2.75,-3.435) 37(2.75,3.435) 38(2.25,3.435) 39(1.75,3.435) 40(1.25,3.435) 41(0.75,3.435) 42(0.25,3.435) 43(-0.25,3.435) 44(-0.75,3.435) 45(-1.25,3.435) 46(-1.75,3.435) 47(-2.25,3.435) 48(-2.75,3.435)
  round 0.5 hole 0.2: 49(-1.651,-0.559) 49(-1.651,-1.651) 49(-1.626,1.626) 49(-1.626,0.508) 49(-0.559,1.626) 49(-0.533,0.508) 49(-0.533,-0.533) 49(-0.533,-1.651) 49(0.559,0.483) 49(0.584,1.6) 49(0.584,-0.533) 49(0.584,-1.651) 49(1.651,-0.533) 49(1.651,-1.676) 49(1.676,0.508) 49(1.702,1.6)
  rect 4.7x4.7 smd paste-20 mask+0.05: 49(0,0)
  silkscreen extent -4.33,-3.55 3.55,3.55, body extent -3.55,-3.55 3.55,3.55, height 0.9
F_INVERTED [mil] "inverted f antenna with 50 ohm impedence matching"
  rect 100x40 smd paste-39.37 mask+4.02: FEED(49,0)
  rect 100x40 smd paste-78.74 mask+4.02: GND(49,-149)
  Top Layer region: 51,20 327,20 327,613 366,613 366,-169 51,-169 51,-129 327,-129 327,-20 51,-20
"FERRITE 0402" [mm]
  rect 0.47x0.64 smd: 1(-0.5,0)
  rrect50% 0.47x0.64 smd: 2(0.5,0)
  silkscreen extent -1.04,-0.53 0.1,0.58, body extent -0.55,-0.3 0.55,0.3, height 0.55
"FERRITE 0603" [mm] "EFR32bg13- / RFVDD, PAVDD"
  rect 1x1.2 smd: 1(-0.975,0)
  rrect50% 1x1.2 smd: 2(1.025,0)
  silkscreen extent -0.07,-0.53 0.13,0.53, body extent -0.87,-0.5 0.93,0.5, height 1
Hole [mil]
  round 180 hole 140: 1(0,0)
HOLE [mil]
  round 180 hole 140: 1(0,0)
"IND 10UH (1X3.2)" [mm]
  rect 1x3.2 smd: 1(0,0)
  rrect50% 1x3.2 smd: 2(2.2,0)
  silkscreen extent -0.76,-1.85 2.97,1.88, body extent -0.27,-1.44 2.51,1.34, height 0.24
"IND 22UH (1.6X4.3)" [mm]
  rect 1.6x4.3 smd: 1(0,0)
  rrect50% 1.6x4.3 smd: 2(2.7,0)
  silkscreen extent -1.09,-2.41 3.76,2.44, body extent -0.58,-1.9 3.22,1.9, height 1.66
"LED 0603" [mm] "SODFL, 2-Leads, Body 0.80x1.80mm, IPC Medium Density"
  rrect50% 0.8x0.8 smd: A(0.775,-0.102)
  rect 0.8x0.8 smd: C(-0.825,-0.102)
  silkscreen extent -1.18,-0.5 0.12,0.65, body extent -0.83,-0.5 0.77,0.3, height 0.71
"MECHANICAL SWITCH" [mm] "Compatible with any 3-Pin/5-Pin MX mechanical keyboard with SMD-LED light or RGB-SMD light."
  rect 2.55x2.5 smd: 1(-5.561,5.1) 2(6.831,2.56)
  round 0 hole 3 unplated: 4(3.81,2.56) 5(-2.54,5.1)
  Keep-Out Layer board cut-out: 0,-2.122 -0.812,-1.961 -1.501,-1.501 -1.961,-0.812 -2.122,0 -2.122,0 -1.961,0.812 -1.501,1.501 -0.812,1.961 0,2.122 0,2.122 0.812,1.961 1.501,1.501 1.961,0.812 2.122,0 2.122,0 1.961,-0.812 1.501,-1.501 0.812,-1.961 0,-2.122
  silkscreen extent -3.63,6.27 5.03,8.13, body extent -6.67,0.91 7.83,6.8, height 1.76
"MINI SIMPLICITY CONNECTOR" [mil]
  rrect50% 29x110 smd mask+2: 1(-100,-80) 2(-100,80) 3(-50,-80) 4(-50,80) 6(0,80) 8(50,80) 9(100,-80) 10(100,80)
  rrect50% 26x110 smd mask+2: 5(0,-80) 7(50,-80)
  silkscreen extent -145,-177 145,150, body extent -125,-115 125,115, height 241
"RESISTOR 0402" [mm]
  rect 0.4x0.6 smd: 1(-0.55,0)
  rrect50% 0.4x0.6 smd: 2(0.55,0)
  body extent -0.55,-0.3 0.55,0.3, height 0.55
"Resistor 0402" [mm]
  rect 0.4x0.6 smd: 1(-0.55,0)
  rrect50% 0.4x0.6 smd: 2(0.55,0)
  body extent -0.55,-0.3 0.55,0.3, height 0.55
"RESISTOR 0603" [mm] "Common footprint for 0603 resistor"
  rect 0.9x0.9 smd: 1(-0.8,0)
  rrect50% 0.9x0.9 smd: 2(0.8,0)
  body extent -0.78,-0.43 0.77,0.42, height 0.45
"Resistor 0603" [mm] "Common footprint for 0603 resistor"
  rect 0.9x0.9 smd: 1(-0.8,0)
  rrect50% 0.9x0.9 smd: 2(0.8,0)
  body extent -0.78,-0.43 0.77,0.42, height 0.45
"Rotery Encoder" [mm]
  rect 1.65x1.65 hole 1.1: 1(-2.5,7)
  round 1.65 hole 1.1: 2(2.5,7) A(-2.5,-7.5) B(2.5,-7.5) COM(0,-7.5)
  oval 3x6 hole 2 square: S1(-5.7,0) S2(5.7,0)
  silkscreen extent -6.25,-6.7 6.25,7.7
"SI7021-A20 - TEMP" [mm] "SON, 6-Leads, Body 3.00x3.00mm, Pitch 1.00mm, Thermal Pad 2.40x1.50mm, IPC Medium Density /  / Humidity, Temperature 0 ~ 100% RH I2C ±3% RH 18 s Surface Mount"
  rect 0.85x0.45 smd mask+0.07: 1(-1.45,1)
  rrect50% 0.85x0.45 smd mask+0.07: 2(-1.45,0) 3(-1.45,-1) 4(1.45,-1) 5(1.45,0) 6(1.45,1)
  rect 1.6x2.5 smd paste-1 mask+0.07: ""(0,0)
  silkscreen extent -2.1,-1.65 1.65,1.7, body extent -1.55,-1.5 1.55,1.5, height 0.8
"SOLAR PANEL" [mm] "Monocrystalline Solar Cell 184 mW 4.15 V"
  round 3.4 smd: N(19.5,0) P(-19.5,0)
  silkscreen extent -21.72,-5.33 22.07,5.72
SPST [mm]
  rect 2.1x1.4 smd: 1(-4.55,-2.25) 2(4.55,-2.25) 3(-4.55,2.25) 4(4.55,2.25)
  silkscreen extent -3,-3 3,3, body extent -5,-3 5,3, height 4.4
"TCA6408ARGTR - IO EXPANDER" [mm] "IC XPNDR 400KHZ I2C SMBUS 16VQFN"
  rect 0.6x0.26 smd mask+0.07: 1(-1.435,0.75)
  rrect25% 0.6x0.26 smd mask+0.07: 2(-1.435,0.25) 3(-1.435,-0.25) 4(-1.435,-0.75) 9(1.435,-0.75) 10(1.435,-0.25) 11(1.435,0.25) 12(1.435,0.75)
  rrect25% 0.26x0.6 smd mask+0.07: 5(-0.75,-1.435) 6(-0.25,-1.435) 7(0.25,-1.435) 8(0.75,-1.435) 13(0.75,1.435) 14(0.25,1.435) 15(-0.25,1.435) 16(-0.75,1.435)
  rect 1.45x1.45 smd paste-0.04 mask+0.07: 17(0,0)
  silkscreen extent -2.57,-1.5 1.5,1.5, body extent -1.5,-1.5 1.5,1.5, height 1
"TEST POINT"#1 [mm]
  round 1.2 smd paste-2539.97: 1(0,0)
"TEST POINT"#2 [mm]
  round 1.2 smd paste-2539.97: ""(0,0)
"TPS22919DCKR - LOAD SW" [mm] "Power Switch/Driver 1:1 N-Channel 1.5A SC-70-6, 5.5 V, 1.5 A, 90-mO Self-Protected Load Switch with Controlled Rise Time"
  rect 0.9x0.4 smd mask+0.07: 1(-1.1,0.65)
  rrect50% 0.9x0.4 smd mask+0.07: 2(-1.1,0) 3(-1.1,-0.65) 4(1.1,-0.65) 5(1.1,0) 6(1.1,0.65)
  silkscreen extent -1.23,-1.1 0.3,1.52, body extent -1.2,-1.07 1.2,1.07, height 1.1
"TPS22919DCKR - Load SW" [mm] "Power Switch/Driver 1:1 N-Channel 1.5A SC-70-6, 5.5 V, 1.5 A, 90-mO Self-Protected Load Switch with Controlled Rise Time"
  rect 0.9x0.4 smd mask+0.07: 1(-1.1,0.65)
  rrect50% 0.9x0.4 smd mask+0.07: 2(-1.1,0) 3(-1.1,-0.65) 4(1.1,-0.65) 5(1.1,0) 6(1.1,0.65)
  silkscreen extent -1.22,-1.1 0.3,1.53, body extent -1.2,-1.07 1.2,1.07, height 1.1
TVS [mm]
  rect 1x0.7 smd mask+0.025: 1(-1.163,0.95) 2(-1.163,0) 3(-1.163,-0.95) 4(1.2,-0.95) 5(1.2,0) 6(1.2,0.95)
  silkscreen extent -1.65,-1.63 0.76,2.03, body extent -1.37,-1.44 1.38,1.46, height 1.1
"TYPE C" [mm]
  rect 0.6x1.14 smd mask+0.05: A1_B12(-3.2,4.75) A4_B9(-2.4,4.75) B1_A12(3.2,4.75) B4_A9(2.4,4.75)
  rect 0.3x1.14 smd mask+0.05: A5(-1.25,4.75) A6(-0.25,4.75) A7(0.25,4.75) A8(1.25,4.75) B5(1.75,4.75) B6(0.75,4.75) B7(-0.75,4.75) B8(-1.75,4.75)
  oval 0.9x2 hole 0.6 slot 1.7 at 90 deg: S1(-4.325,4.17) S2(4.325,4.17)
  oval 0.9x1.7 hole 0.6 slot 1.4 at 90 deg: S3(-4.325,0) S4(4.325,0)
  round 0.6 hole 0.6 unplated: ""(-2.89,3.68) ""(2.89,3.68)
  silkscreen extent -4.47,-1.6 4.47,6.1, body extent -4.47,-2.6 4.47,5.31, height 3.31
WS2812B [mm]
  rect 1.5x0.9 smd: 1-VDD(2.45,-1.65) 2-DOUT(2.45,1.65) 3-GND(-2.45,1.65) 4-DIN(-2.45,-1.65)
  silkscreen extent -2.5,-2.5 2.5,3.2
"XTAL 38.4MHZ" [mil]
  rect 23x27 smd paste+0 mask+0: 1(-17,25.1) 2(-17,-25.1) 3(17,-25.1) 4(17,25.1)
  silkscreen extent -85,-3 38,29, body extent -34,-41 34,41, height 20
XTAL_32.768KHZ-T [mm]
  rect 1.1x1.9 smd: 1(-1.25,0) 2(1.25,0)
  silkscreen extent -2.32,-0.75 0.38,1.56, body extent -1.6,-0.75 1.6,0.75, height 0.89

## Part data
ATT1: "For 50Ohm impedence, Inverted F antenna"
BT1: "Batt Lith-ion 3.7V 1.05AH 404852", Manufacturer=GlobTek, Manufacturer Part Number=BL1200P4054481S1PCAC, Supplier Part Number=1939-BL1200P4054481S1PCAC-ND, Category="Batteries and Accessories", ComponentLink1Description=https://www.globtek.com/pdf/manual-datasheets/BL1200P4054481S1PCAC.pdf?src-supplier=Digikey, ComponentLink1URL=https://www.globtek.com/pdf/manual-datasheets/BL1200P4054481S1PCAC.pdf?src-supplier=Digikey, Pricing="1=10.53, 10=9.312 (USD)", RoHS=No, Stock=781, Supplier=Digikey
BT2: "Monocryst Solar Cell 184MW 4.15V", Manufacturer=ANYSOLAR, Manufacturer Part Number=SM141K06L, Supplier Part Number=SM141K06L-ND, Pricing="1=6.3, 25=4.9996, 50=4.7572, 100=4.545, 250=4.242, 500=4.0299 (USD)", RoHS=No, Stock=2115, Supplier=Digikey
BT3: "No backlight, keeps displaying last content for a long time even when power down / Ultra low power consumption, basically power is only required for refreshing / SPI interface, for connecting with controller boards like Raspberry Pi/Arduino/Nucleo, etc. / Onboard voltage translator, compatible with 3.3V/5V MCUs / Comes with development resources and manual (examples for Raspberry Pi/Jetson Nano/Arduino/STM32) / Specifications / Operating voltage: 3.3V/5V / Interface: 3-wire SPI, 4-wire SPI / Outline dimension: 48mm × 33mm / Display size: 27.6mm × 27.6mm / Dot pitch: 0.138 × 0.138 / Resolution: 200 × 200 / Display color: black, white / Grey level: 2 / Partial refresh time: 0.3s / Full refresh time: 2s / Refresh power: 26.4mW(typ.) / Standby power: <0.017mW / Viewing angle: >170°"
C1: "Ceramic Capacitor, Multilayer, Ceramic, 50V, 3.33% +Tol, 3.33% -Tol, C0G, 30ppm/Cel TC, 0.0000015uF, Surface Mount, 0402", Capacitor Type=Ceramic, Case/Package=0402, Manufacturer=Murata, Manufacturer Part Number=GJM1555C1H1R5WB01D, Max Operating Temperature=125°C, Min Operating Temperature=-55°C, Package Shape=Rectangular, Package Style=SMTMeter, Rated DC Voltage (URdc)=50V, Supplier Part Number=490-11199-1-ND, Temperature Characteristics Code=C0G, Tolerance  (fill in as +-)=3.33%, Category="Ceramic Capacitors", ComponentLink1Description=https://datasheet.ciiva.com:443/pdfs/VipMasterIC/IC/MURE/MURE-S-A0004378008/MURE-S-A0004383770-1.pdf?src-supplier=IHS+Markit, ComponentLink1URL=https://datasheet.ciiva.com:443/pdfs/VipMasterIC/IC/MURE/MURE-S-A0004378008/MURE-S-A0004383770-1.pdf?src-supplier=IHS+Markit, ComponentLink2Description=https://datasheet.ciiva.com/18183/getdatasheetpartid-312921-18183825.pdf?src-supplier=Verical, ComponentLink2URL=https://datasheet.ciiva.com/18183/getdatasheetpartid-312921-18183825.pdf?src-supplier=Verical, Dielectric Material=Ceramic, Height=0.5mm, JESD-609 Code=e3, Length=1mm, Mounting Technology="Surface Mount", Multilayer=Yes, Packaging="Tape and Reel", Pins=2, Pricing="1=0.16, 10=0.091, 50=0.0634, 100=0.0549, 500=0.04062, 1000=0.03616, 2500=0.03144, 5000=0.02857 (USD)", Reach SVHC Compliant=Yes, RoHS=Yes, RoHS Compliant=Yes, Stock=52422, Supplier=Digikey, Terminal Finish=Nickel, Termination=Wraparound, Tolerance (fill in as +-)=3.33%, Width=0.5mm
C2 C3: "Ceramic Capacitor, Multilayer, Ceramic, 100V, 5% +Tol, 5% -Tol, C0G, 30ppm/Cel TC, 0.0001uF, Surface Mount, 0603", Capacitor Type=Ceramic, Case/Package=0603, Manufacturer=Murata, Manufacturer Part Number=GCM1885C2A101JA16D, Max Operating Temperature=125°C, Min Operating Temperature=-55°C, Package Shape=Rectangular, Package Style=SMTMeter, Rated DC Voltage (URdc)=100V, Supplier Part Number=490-4771-1-ND, Temperature Characteristics Code=C0G, Tolerance  (fill in as +-)=5%, Category="Ceramic Capacitors", ComponentLink1Description=https://datasheet.ciiva.com:443/pdfs/VipMasterIC/IC/MURE/MURE-S-A0004365318/MURE-S-A0004370465-1.pdf?src-supplier=IHS+Markit, ComponentLink1URL=https://datasheet.ciiva.com:443/pdfs/VipMasterIC/IC/MURE/MURE-S-A0004365318/MURE-S-A0004370465-1.pdf?src-supplier=IHS+Markit, ComponentLink2Description=https://datasheet.ciiva.com/133/product-133309.pdf?src-supplier=Digikey, ComponentLink2URL=https://datasheet.ciiva.com/133/product-133309.pdf?src-supplier=Digikey, ComponentLink3Description=https://datasheet.ciiva.com/133/product-133310.pdf?src-supplier=Digikey, ComponentLink3URL=https://datasheet.ciiva.com/133/product-133310.pdf?src-supplier=Digikey, ComponentLink4Description=https://datasheet.ciiva.com/133/product-133311.pdf?src-supplier=Digikey, ComponentLink4URL=https://datasheet.ciiva.com/133/product-133311.pdf?src-supplier=Digikey, ComponentLink5Description=https://datasheet.ciiva.com/18183/getdatasheetpartid-223913-18183585.pdf?src-supplier=Verical, ComponentLink5URL=https://datasheet.ciiva.com/18183/getdatasheetpartid-223913-18183585.pdf?src-supplier=Verical, ComponentLink6Description=https://datasheet.ciiva.com/11605/product-11605527.pdf?src-supplier=Avnet, ComponentLink6URL=https://datasheet.ciiva.com/11605/product-11605527.pdf?src-supplier=Avnet, Dielectric Material=Ceramic, Height=0.9mm, JESD-609 Code=e3, Length=1.6mm, Mounting Technology="Surface Mount", Multilayer=Yes, Packaging="Tape and Reel", Pins=2, Pricing="1=0.1, 10=0.041, 50=0.0278, 100=0.0237, 500=0.017, 1000=0.01491 (USD)", Reach SVHC Compliant=Yes, Reference Standard=AEC-Q200, RoHS=Yes, RoHS Compliant=Yes, Stock=419530, Supplier=Digikey, Terminal Finish=Nickel, Termination=Wraparound, Tolerance (fill in as +-)=5%, Width=0.8mm